# KiCad board uMule_board.kicad_pcb (continued)
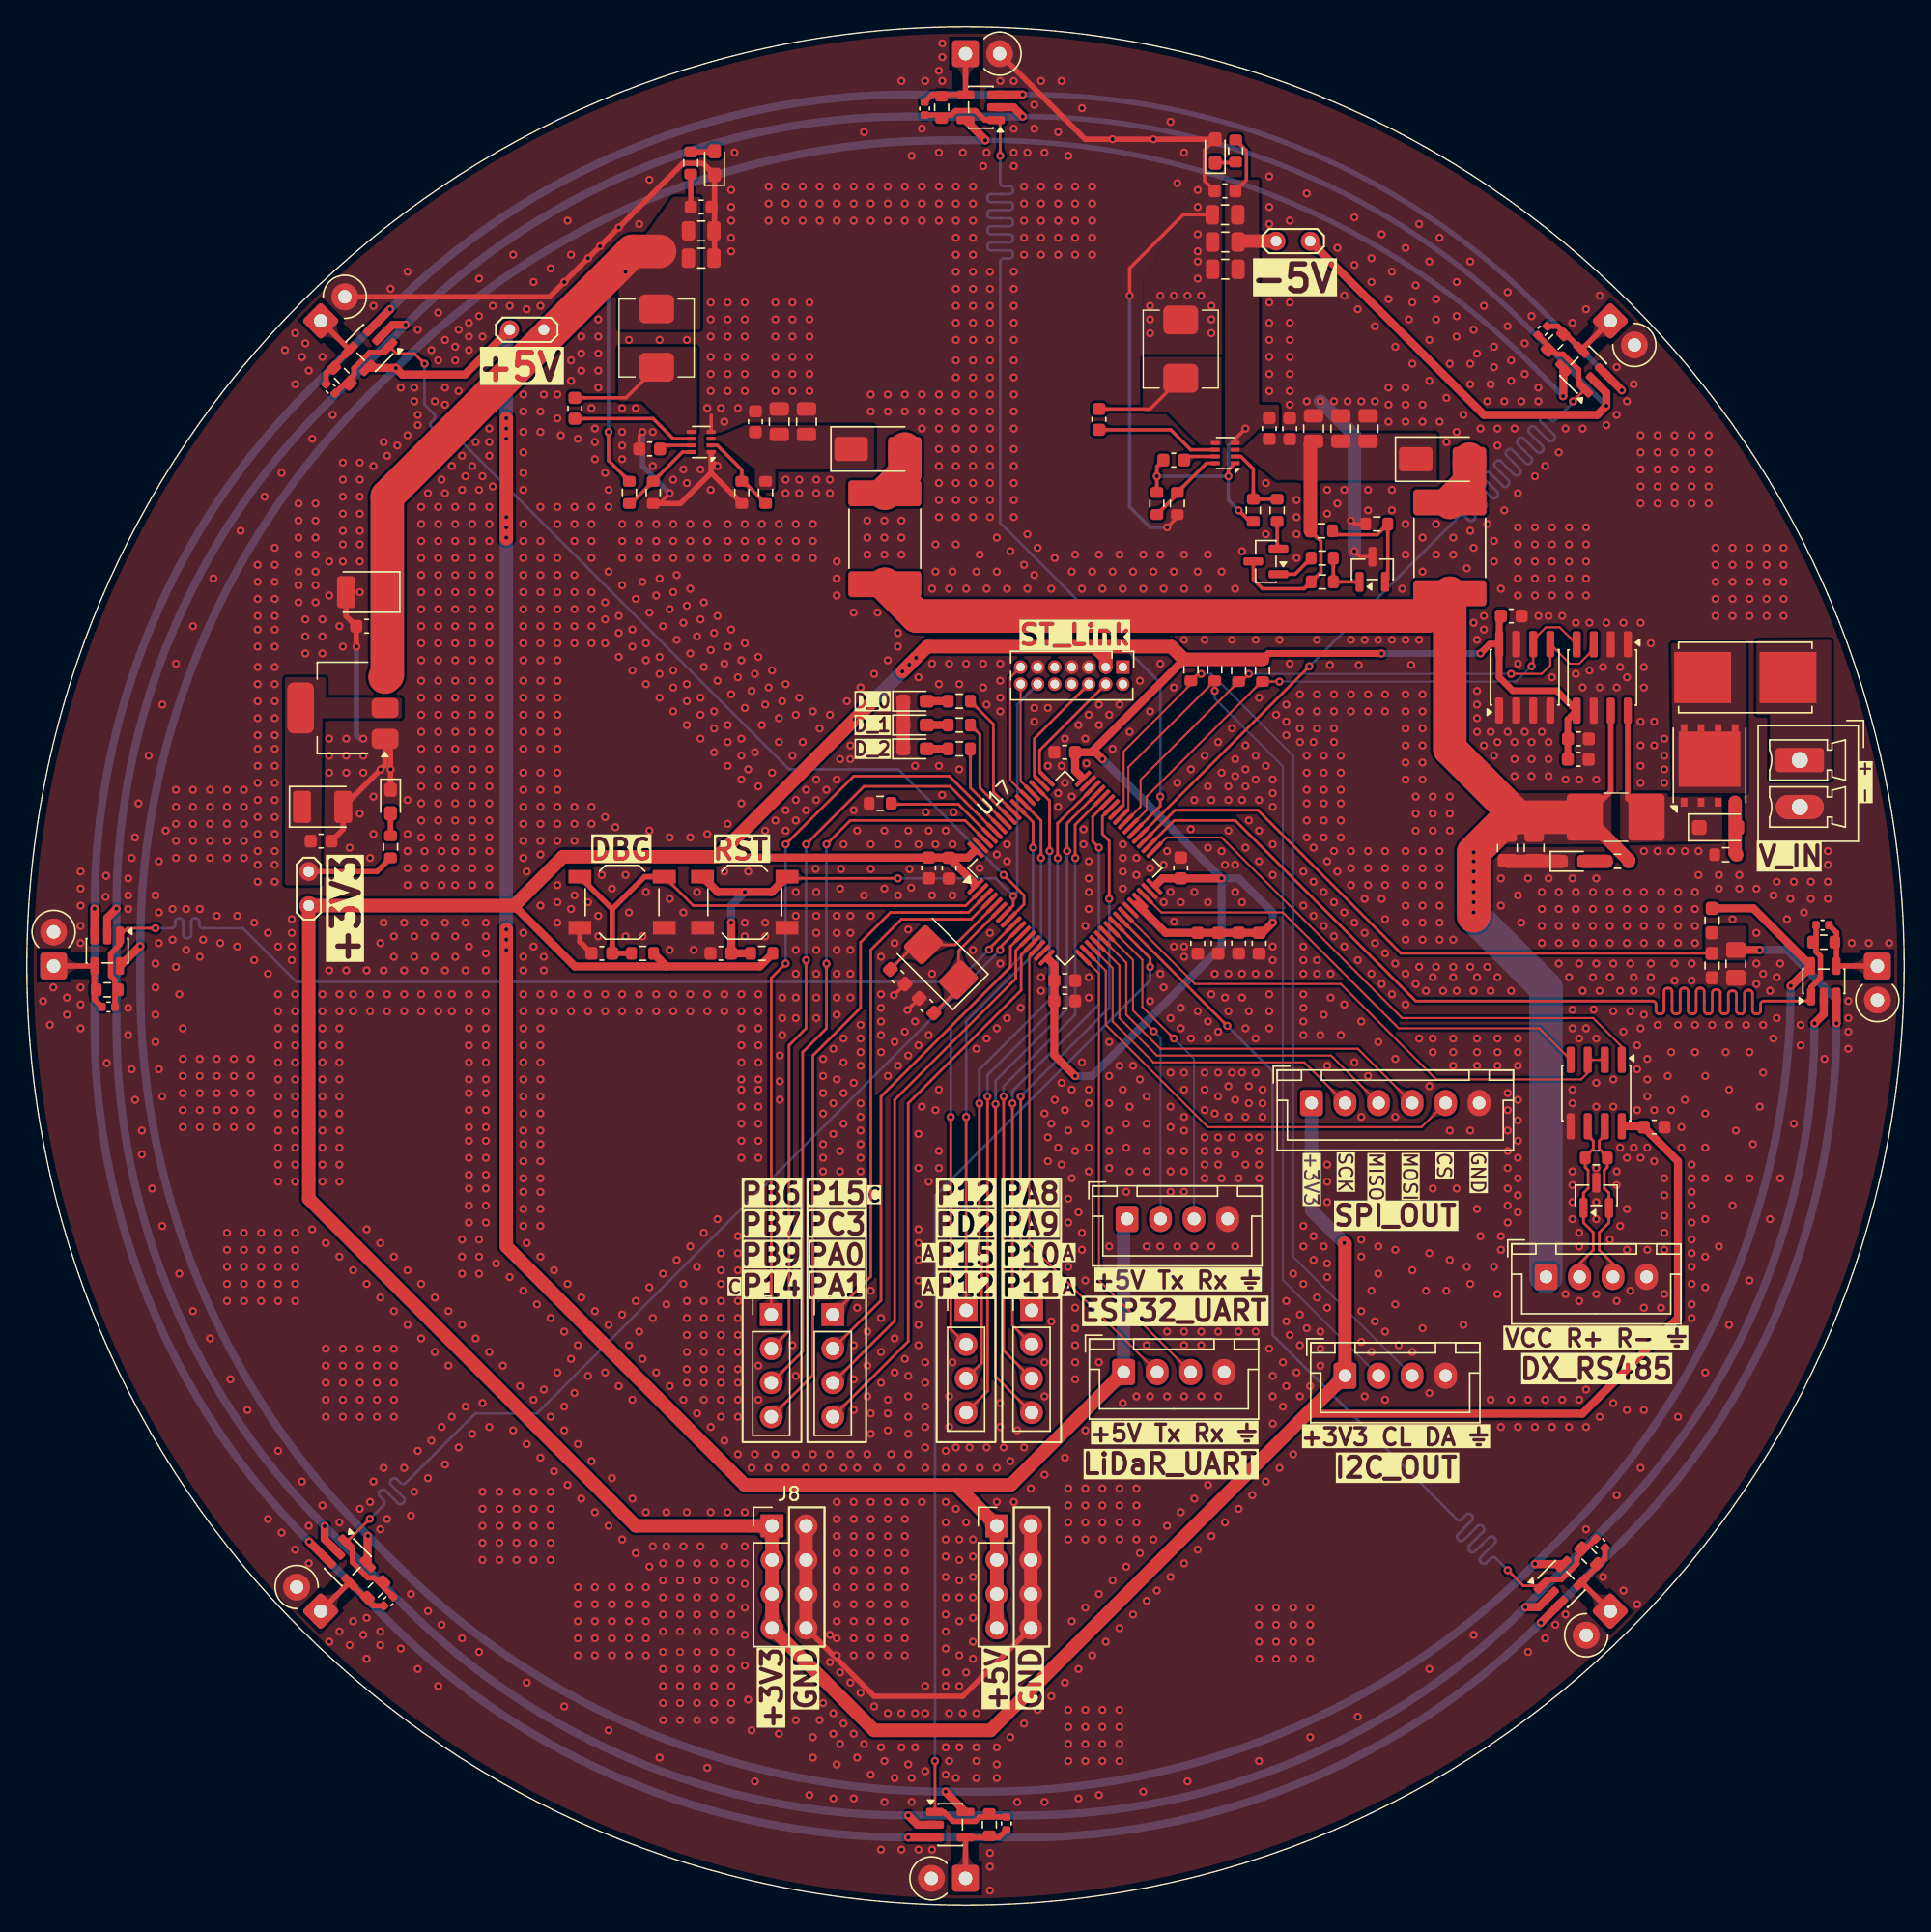
[diagram p0: board, top side]
## Routing (per net, layer and track width the routed paths; a pad name or vN(x,y) marks a point on that pad's centre or on a via; arc(x,y) is an arc through that point) (continued)
v1(55.82,115.39) v1(55.82,114.12) v1(55.82,112.85) v1(55.82,80.85) v1(55.82,33.61) v1(56.08,102.95) v1(56.08,101.68) v1(56.08,100.41) v1(56.08,88.47) v1(56.08,86.69) v1(56.08,12.78) v1(56.15,63.33) v1(56.14,61.41) v1(56.15,60.03) v1(56.33,89.74) v1(56.33,67.64) v1(56.33,66.12) v1(56.33,64.85) v1(56.59,128.09) v1(56.59,126.82) v1(56.59,125.55) v1(56.59,106.25) v1(56.59,105.23) v1(56.59,91.01) v1(56.59,81.61) v1(56.59,80.09) v1(56.59,32.59) v1(57.09,119.46) v1(57.09,118.19) v1(57.09,116.92) v1(57.09,115.39) v1(57.09,114.12) v1(57.09,112.85) v1(57.09,85.68) v1(57.09,41.73) v1(57.35,102.95) v1(57.35,101.68) v1(57.35,100.41) v1(57.35,88.72) v1(57.35,82.37) v1(57.35,80.85) v1(57.35,75.52) v1(57.35,73.74) v1(57.35,71.2) v1(57.35,69.42) v1(57.35,67.64) v1(57.35,66.12) v1(57.35,39.45) v1(57.35,33.61) v1(57.35,13.79) v1(57.6,106.25) v1(57.6,105.23) v1(57.6,89.99) v1(57.86,128.09) v1(57.86,126.82) v1(57.86,125.55) v1(57.86,86.69) v1(58.11,83.14) v1(58.11,81.61) v1(58.11,32.59) v1(58.36,119.46) v1(58.36,118.19) v1(58.36,116.92) v1(58.36,115.39) v1(58.36,114.12) v1(58.36,112.85) v1(58.36,8.21) v1(58.62,102.95) v1(58.62,101.68) v1(58.62,100.41) v1(58.62,88.98) v1(58.62,33.61) v1(58.62,12.52) v1(58.62,11) v1(58.87,106.25) v1(58.87,105.23) v1(58.87,83.9) v1(58.87,82.37) v1(58.82,77.24) v1(58.87,75.52) v1(58.87,73.74) v1(58.87,72.47) v1(58.87,71.2) v1(58.87,69.42) v1(58.87,67.64) v1(58.87,66.12) v1(59.13,128.09) v1(59.13,126.82) v1(59.13,125.55) v1(59.13,87.71) v1(59.13,13.79) v1(59.38,63.07) v1(59.38,61.8) v1(59.38,60.53) v1(59.38,59.01) v1(59.38,56.72) v1(59.38,55.7) v1(59.38,54.69) v1(59.38,32.59) v1(59.38,15.06) v1(59.63,83.14) v1(59.89,106.25) v1(59.89,105.23) v1(59.89,88.72) v1(59.89,33.61) v1(59.89,20.14) v1(59.89,18.11) v1(60.14,63.83) v1(60.14,59.77) v1(60.14,57.48) v1(60.14,14.3) v1(60.14,12.78) v1(60.14,7.95) v1(60.4,128.09) v1(60.4,126.82) v1(60.4,125.55) v1(60.4,100.15) v1(60.4,98.88) v1(60.4,97.61) v1(60.4,83.9) v1(60.4,73.74) v1(60.4,72.47) v1(60.4,71.2) v1(60.4,69.42) v1(60.4,67.64) v1(60.4,66.37) v1(60.4,61.55) v1(60.4,30.05) v1(60.4,28.78) v1(60.4,27.51) v1(60.4,26.24) v1(60.4,24.97) v1(60.4,23.7) v1(60.4,22.43) v1(60.4,21.16) v1(60.4,19.89) v1(60.4,18.62) v1(60.4,10.49) v1(60.65,85.42) v1(60.65,75.77) v1(60.65,56.21) v1(60.65,54.69) v1(60.65,17.35) v1(60.65,12.02) v1(60.72,77.23) v1(60.9,79.07) v1(60.9,64.59) v1(60.9,62.82) v1(60.9,60.53) v1(60.9,58.24) v1(60.9,32.59) v1(60.9,13.54) v1(61.16,89.74) v1(61.41,86.44) v1(61.41,85.42) v1(61.41,73.74) v1(61.41,72.47) v1(61.41,71.2) v1(61.41,69.42) v1(61.41,67.64) v1(61.41,33.61) v1(61.41,16.59) v1(61.67,128.09) v1(61.67,126.82) v1(61.67,125.55) v1(61.67,96.34) v1(61.67,81.61) v1(61.67,61.29) v1(61.67,41.73) v1(61.67,39.19) v1(61.67,36.91) v1(61.67,30.05) v1(61.67,28.78) v1(61.67,27.51) v1(61.67,26.24) v1(61.67,24.97) v1(61.67,23.7) v1(61.67,22.43) v1(61.67,21.16) v1(61.67,19.89) v1(61.67,18.62) v1(61.67,12.78) v1(61.67,7.95) v1(61.92,80.09) v1(61.92,44.53) v1(61.92,32.59) v1(61.92,11) v1(62.17,90.76) v1(62.17,65.61) v1(62.17,64.59) v1(62.17,63.58) v1(62.17,62.56) v1(62.17,59.77) v1(62.17,58.75) v1(62.17,57.74) v1(62.17,56.72) v1(62.17,55.7) v1(62.17,54.69) v1(62.17,15.83) v1(62.43,132.16) v1(62.43,75.26) v1(62.43,12.02) v1(62.68,103.2) v1(62.68,101.93) v1(62.68,100.66) v1(62.68,42.75) v1(62.68,40.21) v1(62.68,37.92) v1(62.68,33.61) v1(62.94,128.09) v1(62.94,126.82) v1(62.94,125.55) v1(62.94,112.6) v1(62.94,111.33) v1(62.94,79.07) v1(62.94,77.23) v1(62.94,73.74) v1(62.94,45.8) v1(62.94,36.65) v1(62.94,35.13) v1(62.94,30.05) v1(62.94,28.78) v1(62.94,27.51) v1(62.94,26.24) v1(62.94,24.97) v1(62.94,23.7) v1(62.94,22.43) v1(62.94,21.16) v1(62.94,19.89) v1(62.94,18.62) v1(62.94,9.73) v1(63.19,91.77) v1(63.19,14.81) v1(63.44,96.34) v1(63.44,32.59) v1(63.7,70.69) v1(63.7,67.9) v1(63.7,66.88) v1(63.7,65.86) v1(63.7,64.85) v1(63.7,63.58) v1(63.7,43.77) v1(63.7,41.23) v1(63.7,38.94) v1(63.7,11.76) v1(63.7,4.14) v1(63.95,103.2) v1(63.95,101.93) v1(63.95,100.66) v1(63.95,80.09) v1(63.95,75.77) v1(63.95,10.75) v1(63.95,7.7) v1(64.21,128.09) v1(64.21,126.82) v1(64.21,125.55) v1(64.21,112.6) v1(64.21,111.33) v1(64.21,92.79) v1(64.21,61.8) v1(64.21,37.67) v1(64.21,36.65) v1(64.21,35.38) v1(64.21,30.05) v1(64.21,28.78) v1(64.21,27.51) v1(64.21,26.24) v1(64.21,24.97) v1(64.21,23.7) v1(64.21,22.43) v1(64.21,21.16) v1(64.21,19.89) v1(64.21,18.62) v1(64.21,14.3) v1(64.46,33.61) v1(64.71,71.71) v1(64.71,64.34) v1(64.71,42.24) v1(64.71,39.7) v1(64.71,9.48) v1(64.97,94.82) v1(64.97,93.8) v1(64.97,79.07) v1(64.97,75.26) v1(64.97,62.56) v1(65.22,135.97) v1(65.22,103.2) v1(65.22,101.93) v1(65.22,100.66) v1(65.22,32.59) v1(65.22,14.3) v1(65.22,11.76) v1(65.22,4.14) v1(65.48,128.09) v1(65.48,126.82) v1(65.48,125.55) v1(65.48,112.6) v1(65.48,111.33) v1(65.48,65.1) v1(65.48,40.72) v1(65.48,30.05) v1(65.48,28.78) v1(65.48,27.51) v1(65.48,26.24) v1(65.48,24.97) v1(65.48,23.7) v1(65.48,22.43) v1(65.48,21.16) v1(65.48,19.89) v1(65.48,18.62) v1(65.73,80.09) v1(65.73,72.72) v1(65.73,63.32) v1(65.73,39.45) v1(65.73,37.92) v1(65.73,36.4) v1(65.73,35.13) v1(65.73,33.61) v1(65.73,10.49) v1(65.83,77.21) v1(65.95,75.83) v1(65.98,130.38) v1(65.98,9.48) v1(65.98,7.7) v1(66.24,84.91) v1(66.24,65.86) v1(66.24,14.3) v1(66.24,11.76) v1(66.49,91.52) v1(66.49,79.07) v1(66.49,64.09) v1(66.49,57.48) v1(66.49,54.94) v1(66.49,50.37) v1(66.49,49.35) v1(66.49,48.08) v1(66.49,46.56) v1(66.49,44.78) v1(66.49,43.26) v1(66.49,41.73) v1(66.49,4.14) v1(66.75,132.41) v1(66.75,128.09) v1(66.75,126.82) v1(66.75,125.55) v1(66.75,112.6) v1(66.75,111.33) v1(66.75,110.06) v1(66.75,59.51) v1(66.75,30.05) v1(67,135.97) v1(67.05,81.45) v1(67,40.46) v1(67,38.94) v1(67,37.16) v1(67,35.64) v1(67,34.11) v1(67,32.59) v1(67,16.33) v1(67,14.3) v1(67,9.98) v1(67.25,80.09) v1(67.25,64.85) v1(67.25,53.93) v1(67.51,98.12) v1(67.51,92.53) v1(67.51,75.26) v1(67.51,69.42) v1(67.51,4.14) v1(67.76,101.42) v1(67.76,99.39) v1(67.76,79.07) v1(67.76,59.26) v1(68.02,136.73) v1(68.02,130.63) v1(68.02,128.09) v1(68.02,126.82) v1(68.02,125.55) v1(68.02,112.6) v1(68.02,111.33) v1(68.02,110.06) v1(68.02,108.54) v1(68.02,107.27) v1(68.02,106) v1(68.02,104.73) v1(68.02,103.46) v1(68.02,91.01) v1(68.02,84.91) v1(68.02,60.78) v1(68.02,56.21) v1(68.02,54.94) v1(68.27,138.76) v1(68.27,137.75) v1(68.27,135.97) v1(68.25,82.75) v1(68.52,80.09) v1(68.52,33.86) v1(68.52,32.59) v1(68.52,30.05) v1(68.52,28.53) v1(68.52,27.26) v1(68.52,25.99) v1(68.52,24.46) v1(68.52,22.94) v1(68.52,21.67) v1(68.52,20.4) v1(68.52,19.13) v1(68.52,17.35) v1(68.52,16.33) v1(68.52,11.76) v1(68.52,11.76) v1(68.52,9.73) v1(68.78,98.12) v1(68.78,92.53) v1(68.78,37.92) v1(68.78,35.64) v1(68.78,14.3) v1(68.78,10.75) v1(69.03,99.39) v1(69.03,79.07) v1(69.03,75.26) v1(69.03,40.46) v1(69.12,81.45) v1(69.29,128.09) v1(69.29,126.82) v1(69.29,125.55) v1(69.29,124.28) v1(69.29,123.01) v1(69.29,121.74) v1(69.29,120.47) v1(69.29,119.2) v1(69.29,117.93) v1(69.29,116.66) v1(69.29,115.14) v1(69.29,113.87) v1(69.29,112.6) v1(69.29,111.33) v1(69.29,110.06) v1(69.29,108.54) v1(69.29,107.27) v1(69.29,106) v1(69.29,104.73) v1(69.29,103.46) v1(69.29,101.42) v1(69.29,34.11) v1(69.29,29.54) v1(69.29,9.48) v1(69.54,91.01) v1(69.54,84.66) v1(69.54,27.26) v1(69.54,25.73) v1(69.54,24.21) v1(69.54,22.94) v1(69.54,21.16) v1(69.54,18.62) v1(69.54,16.33) v1(69.54,11.76) v1(69.79,130.63) v1(69.79,32.59) v1(69.79,14.3) v1(70.05,98.12) v1(70.05,92.53) v1(70.05,28.53) v1(70.05,17.35) v1(70.3,34.11) v1(70.56,128.09) v1(70.56,126.82) v1(70.56,125.55) v1(70.56,124.28) v1(70.56,123.01) v1(70.56,121.74) v1(70.56,120.47) v1(70.56,119.2) v1(70.56,117.93) v1(70.56,116.66) v1(70.56,115.14) v1(70.56,113.87) v1(70.56,112.6) v1(70.56,111.33) v1(70.56,110.06) v1(70.56,108.54) v1(70.56,107.27) v1(70.56,106) v1(70.56,104.73) v1(70.56,103.46) v1(70.56,71.2) v1(70.56,27.26) v1(70.56,25.99) v1(70.56,24.46) v1(70.56,22.94) v1(70.56,21.41) v1(70.56,19.64) v1(70.56,18.37) v1(70.81,99.39) v1(70.81,63.83) v1(70.81,14.3) v1(70.81,11.76) v1(70.81,10.75) v1(70.81,9.48) v1(71.06,100.66) v1(71.06,77.29) v1(71.06,32.59) v1(71.32,129.62) v1(71.32,92.53) v1(71.32,90.76) v1(71.57,130.63) v1(71.57,98.12) v1(71.57,89.49) v1(71.57,64.59) v1(71.57,34.11) v1(71.83,121.74) v1(71.83,120.47) v1(71.83,119.2) v1(71.83,117.93) v1(71.83,116.66) v1(71.83,115.14) v1(71.83,113.87) v1(71.83,112.6) v1(71.83,111.33) v1(71.83,110.06) v1(71.83,108.54) v1(71.83,107.27) v1(71.83,106) v1(71.83,104.73) v1(71.83,103.46) v1(71.83,72.47) v1(71.83,3.89) v1(71.83,2.87) v1(71.83,1.09) v1(72.33,101.93) v1(72.33,99.39) v1(72.33,78.31) v1(72.33,65.36) v1(72.33,32.59) v1(72.33,30.05) v1(72.33,11.76) v1(72.33,10.49) v1(72.33,9.48) v1(72.59,135.97) v1(72.59,92.53) v1(72.59,91.26) v1(72.59,89.99) v1(72.59,88.98) v1(72.59,70.18) v1(72.59,37.42) v1(72.59,35.64) v1(72.84,34.11) v1(73.1,98.12) v1(73.1,79.07) v1(73.1,77.8) v1(73.1,66.12) v1(73.35,100.92) v1(73.35,33.1) v1(73.35,12.52) v1(73.6,135.97) v1(73.6,132.41) v1(73.6,130.63) v1(73.6,129.62) v1(73.6,121.74) v1(73.6,120.47) v1(73.6,119.2) v1(73.6,117.93) v1(73.6,116.66) v1(73.6,115.14) v1(73.6,113.87) v1(73.6,112.6) v1(73.6,111.33) v1(73.6,110.06) v1(73.6,108.54) v1(73.6,107.27) v1(73.6,106) v1(73.6,104.73) v1(73.6,103.46) v1(73.6,30.05) v1(73.86,35.38) v1(73.86,7.7) v1(74.11,66.88) v1(74.37,128.09) v1(74.37,126.82) v1(74.37,125.55) v1(74.37,124.28) v1(74.37,123.01) v1(74.37,99.9) v1(74.37,34.11) v1(74.37,13.54) v1(74.62,130.63) v1(74.62,102.19) v1(74.62,98.12) v1(74.87,31.07) v1(75.13,134.19) v1(75.13,132.41) v1(75.13,99.14) v1(75.13,89.23) v1(75.13,88.22) v1(75.38,101.17) v1(75.38,14.56) v1(75.64,135.97) v1(75.64,128.09) v1(75.64,126.82) v1(75.64,125.55) v1(75.64,124.28) v1(75.64,123.01) v1(75.64,69.17) v1(75.64,68.15) v1(75.89,130.63) v1(75.89,59.01) v1(75.89,40.46) v1(75.89,37.92) v1(75.89,32.08) v1(75.89,7.7) v1(76.14,89.23) v1(76.14,84.91) v1(76.14,57.23) v1(76.14,55.45) v1(76.4,98.12) v1(76.4,58.24) v1(76.4,43.51) v1(76.4,15.57) v1(76.65,100.41) v1(76.65,60.02) v1(76.91,132.16) v1(76.91,128.09) v1(76.91,126.82) v1(76.91,125.55) v1(76.91,124.28) v1(76.91,123.01) v1(76.91,82.88) v1(76.91,81.87) v1(76.91,56.47) v1(77.16,135.97) v1(77.16,84.91) v1(77.16,61.29) v1(77.16,55.2) v1(77.41,86.95) v1(77.41,83.64) v1(77.41,59.26) v1(77.41,33.35) v1(77.41,16.59) v1(77.67,130.38) v1(77.67,57.74) v1(77.67,52.66) v1(77.67,50.88) v1(77.67,47.58) v1(77.67,31.07) v1(77.67,29.8) v1(77.67,28.53) v1(77.67,27.26) v1(77.67,14.56) v1(77.67,13.29) v1(77.67,12.02) v1(77.67,10.75) v1(77.92,99.39) v1(77.92,82.63) v1(77.92,60.78) v1(77.92,54.18) v1(77.92,21.16) v1(78.18,128.09) v1(78.18,126.82) v1(78.18,125.55) v1(78.18,124.28) v1(78.18,123.01) v1(78.18,100.66) v1(78.18,56.21) v1(78.18,44.53) v1(78.18,43) v1(78.18,41.73) v1(78.18,40.46) v1(78.18,39.19) v1(78.43,87.96) v1(78.43,51.64) v1(78.43,17.6) v1(78.43,7.95) v1(78.68,133.94) v1(78.68,98.12) v1(78.68,62.82) v1(78.68,50.12) v1(78.68,48.85) v1(78.8,80.19) v1(78.8,79.07) v1(78.94,86.95) v1(78.94,72.98) v1(78.94,58.24) v1(78.94,46.56) v1(78.94,35.38) v1(78.94,31.07) v1(78.94,29.8) v1(78.94,28.53) v1(78.94,27.26) v1(78.94,22.18) v1(78.94,14.56) v1(78.94,13.29) v1(78.94,12.02) v1(78.94,10.75) v1(79.02,85.11) v1(79.19,88.72) v1(79.19,77.8) v1(79.19,76.53) v1(79.19,75.52) v1(79.19,74.25) v1(79.19,69.17) v1(79.19,67.64) v1(79.19,60.78) v1(79.19,59.77) v1(79.19,56.47) v1(79.19,54.69) v1(79.45,128.09) v1(79.45,126.82) v1(79.45,125.55) v1(79.45,124.28) v1(79.45,123.01) v1(79.45,99.39) v1(79.45,18.62) v1(79.95,100.66) v1(79.95,89.49) v1(79.95,87.96) v1(79.95,40.46) v1(79.95,23.19) v1(79.95,8.21) v1(80.21,98.12) v1(80.21,31.07) v1(80.21,29.8) v1(80.21,28.53) v1(80.21,27.26) v1(80.21,14.56) v1(80.21,13.29) v1(80.21,12.02) v1(80.21,10.75) v1(80.46,19.64) v1(80.72,88.72) v1(80.72,64.34) v1(80.72,61.8) v1(80.72,59.77) v1(80.72,57.74) v1(80.72,56.21) v1(80.72,54.94) v1(80.72,49.1) v1(80.97,99.39) v1(80.97,86.18) v1(80.97,24.21) v1(81.48,100.66) v1(81.48,89.49) v1(81.48,62.56) v1(81.48,31.07) v1(81.48,29.8) v1(81.48,28.53) v1(81.48,27.26) v1(81.48,20.65) v1(81.48,14.56) v1(81.48,13.29) v1(81.48,12.02) v1(81.48,10.75) v1(81.73,98.12) v1(81.73,79.07) v1(81.73,78.06) v1(81.73,77.04) v1(81.73,75.77) v1(81.73,60.78) v1(81.73,37.42) v1(81.99,58.24) v1(81.99,56.47) v1(81.99,53.16) v1(81.99,25.22) v1(82.24,87.45) v1(82.24,59.51) v1(82.24,54.69) v1(82.49,99.39) v1(82.49,62.56) v1(82.49,21.67) v1(82.75,78.06) v1(82.75,76.79) v1(82.75,37.92) v1(82.75,31.07) v1(82.75,29.8) v1(82.75,28.53) v1(82.75,27.26) v1(83,91.26) v1(83,61.55) v1(83,26.24) v1(83.26,100.66) v1(83.26,98.12) v1(83.26,8.46) v1(83.51,60.28) v1(83.51,58.24) v1(83.51,56.21) v1(83.51,54.69) v1(83.51,49.1) v1(83.51,41.73) v1(83.51,22.68) v1(83.76,119.2) v1(83.76,118.19) v1(83.76,117.17) v1(83.76,88.98) v1(83.76,77.29) v1(83.76,67.39) v1(83.76,37.92) v1(84.02,99.39) v1(84.02,27.26) v1(84.27,23.45) v1(84.53,119.97) v1(84.53,100.66) v1(84.53,92.53) v1(84.53,69.42) v1(84.53,49.1) v1(84.78,98.12) v1(84.78,77.55) v1(84.78,74.75) v1(84.78,68.4) v1(85.03,78.56) v1(85.03,42.75) v1(85.03,37.92) v1(85.03,28.27) v1(85.29,132.92) v1(85.29,75.52) v1(85.29,66.12) v1(85.29,62.05) v1(85.29,59.51) v1(85.29,57.99) v1(85.29,56.21) v1(85.29,54.69) v1(85.29,53.16) v1(85.29,24.46) v1(85.54,119.97) v1(85.54,99.39) v1(85.54,90.76) v1(85.56,73.3) v1(85.54,71.45) v1(85.8,128.35) v1(85.8,83.64) v1(85.8,49.1) v1(86.05,74.75) v1(86.05,66.88) v1(86.05,65.36) v1(86.05,29.29) v1(86.3,130.63) v1(86.3,100.66) v1(86.3,98.12) v1(86.3,94.31) v1(86.3,71.45) v1(86.3,70.69) v1(86.3,62.05) v1(86.3,60.78) v1(86.3,58.75) v1(86.3,57.74) v1(86.3,56.21) v1(86.3,54.69) v1(86.3,53.16) v1(86.3,42.75) v1(86.3,41.73) v1(86.3,37.92) v1(86.3,25.48) v1(86.56,119.97) v1(86.56,9.22) v1(86.81,84.66) v1(86.8,80.19) v1(86.81,64.59) v1(87.07,82.37) v1(87.07,75.52) v1(87.07,49.1) v1(87.07,30.3) v1(87.32,127.84) v1(87.32,126.57) v1(87.32,124.54) v1(87.32,123.27) v1(87.32,122.51) v1(87.32,121.24) v1(87.32,99.39) v1(87.32,66.63) v1(87.32,26.49) v1(87.57,119.97) v1(87.57,42.75) v1(87.57,41.73) v1(87.57,37.92) v1(87.83,94.31) v1(87.83,85.68) v1(87.83,62.05) v1(87.83,60.78) v1(87.83,59.26) v1(87.83,57.23) v1(87.83,56.21) v1(87.83,55.2) v1(87.83,54.18) v1(88.08,100.66) v1(88.08,98.12) v1(88.08,83.39) v1(88.08,78.82) v1(88.08,74.75) v1(88.08,65.86) v1(88.08,64.59) v1(88.08,31.32) v1(88.34,119.2) v1(88.34,118.19) v1(88.34,117.17) v1(88.34,82.37) v1(88.34,67.9) v1(88.34,49.1) v1(88.34,27.51) v1(88.59,69.42) v1(88.59,59.01) v1(88.84,86.69) v1(88.84,65.1) v1(88.84,62.05) v1(88.84,60.28) v1(88.84,57.23) v1(88.84,56.21) v1(88.84,55.2) v1(88.84,42.75) v1(88.84,37.92) v1(89.1,99.39) v1(89.1,84.41) v1(89.1,78.56) v1(89.1,54.18) v1(89.35,77.55) v1(89.35,67.64) v1(89.35,28.53) v1(89.61,83.39) v1(89.61,82.37) v1(89.61,80.09) v1(89.61,69.42) v1(89.61,66.63) v1(89.61,61.04) v1(89.61,58.75) v1(89.86,94.31) v1(89.86,87.71) v1(89.86,62.05) v1(89.86,57.23) v1(90.11,98.12) v1(90.11,85.42) v1(90.11,84.15) v1(90.11,77.55) v1(90.11,75.52) v1(90.11,60.02) v1(90.11,55.96) v1(90.11,49.1) v1(90.37,54.18) v1(90.37,42.75) v1(90.37,29.54) v1(90.62,100.92) v1(90.62,82.37) v1(90.62,74.75) v1(90.62,69.42) v1(90.62,67.64) v1(90.62,62.05) v1(90.88,86.44) v1(90.88,84.66) v1(90.88,83.39) v1(90.88,78.82) v1(90.88,65.36) v1(90.88,58.75) v1(90.88,55.2) v1(91.13,80.85) v1(91.13,66.63) v1(91.13,61.04) v1(91.13,59.77) v1(91.13,57.23) v1(91.38,30.56) v1(91.64,94.31) v1(91.64,85.68) v1(91.64,83.9) v1(91.64,69.42) v1(91.64,64.59) v1(91.64,62.05) v1(91.64,42.75) v1(91.89,89.99) v1(91.89,82.37) v1(91.89,80.09) v1(91.89,77.8) v1(91.89,57.23) v1(91.89,56.21) v1(91.89,55.2) v1(91.89,54.18) v1(91.89,22.18) v1(91.89,20.91) v1(91.89,19.64) v1(91.89,18.37) v1(91.89,10.75) v1(92.15,60.78) v1(92.15,59.77) v1(92.15,58.75) v1(92.4,106) v1(92.4,102.19) v1(92.4,84.91) v1(92.4,31.57) v1(92.65,128.86) v1(92.65,126.57) v1(92.65,125.3) v1(92.65,119.46) v1(92.65,117.93) v1(92.65,116.66) v1(92.65,115.39) v1(92.65,114.12) v1(92.65,112.85) v1(92.65,69.42) v1(92.65,67.9) v1(92.65,66.63) v1(92.65,65.36) v1(92.65,41.48) v1(92.91,83.9) v1(92.91,82.88) v1(92.91,81.87) v1(92.91,79.07) v1(92.91,76.79) v1(92.91,71.45) v1(92.91,70.44) v1(92.91,39.45) v1(92.91,37.92) v1(92.91,35.89) v1(93.16,88.72) v1(93.16,22.18) v1(93.16,20.91) v1(93.16,19.64) v1(93.16,18.37) v1(93.42,94.31) v1(93.42,32.59) v1(93.67,40.46) v1(93.67,37.16) v1(93.92,89.49) v1(93.92,88.22) v1(93.92,87.2) v1(93.92,45.04) v1(93.92,43.51) v1(93.92,38.69) v1(94.18,125.55) v1(94.18,119.46) v1(94.18,117.93) v1(94.18,116.66) v1(94.18,115.39) v1(94.18,114.12) v1(94.18,112.85) v1(94.18,111.84) v1(94.18,92.53) v1(94.18,42.5) v1(94.43,47.07) v1(94.43,33.61) v1(94.43,22.18) v1(94.43,20.91) v1(94.43,19.64) v1(94.43,18.37) v1(94.69,104.73) v1(94.69,103.46) v1(94.69,102.19) v1(94.69,100.41) v1(94.69,39.7) v1(94.94,90.25) v1(94.94,88.98) v1(94.94,87.71) v1(94.94,86.69) v1(94.94,44.02) v1(94.94,41.73) v1(94.94,37.92) v1(95.19,77.04) v1(95.19,74.5) v1(95.19,71.45) v1(95.19,70.44) v1(95.19,69.42) v1(95.19,67.9) v1(95.19,66.88) v1(95.19,65.86) v1(95.19,64.85) v1(95.19,50.62) v1(95.19,49.1) v1(95.19,46.31) v1(95.45,127.59) v1(95.45,112.09) v1(95.45,85.68) v1(95.45,84.41) v1(95.45,83.14) v1(95.45,82.12) v1(95.45,80.85) v1(95.45,79.58) v1(95.45,43) v1(95.7,38.69) v1(95.7,22.18) v1(95.7,20.91) v1(95.7,19.64) v1(95.7,18.37) v1(95.7,12.52) v1(95.96,86.69) v1(95.96,78.82) v1(95.96,76.28) v1(95.96,73.74) v1(95.96,49.86) v1(95.96,48.08) v1(96.21,94.31) v1(96.21,90.25) v1(96.21,88.98) v1(96.21,87.71) v1(96.21,70.44) v1(96.21,69.42) v1(96.21,45.29) v1(96.46,64.85) v1(96.46,42.75) v1(96.46,41.48) v1(96.46,40.21) v1(96.72,85.68) v1(96.72,84.41) v1(96.72,83.14) v1(96.72,82.12) v1(96.72,80.85) v1(96.72,79.58) v1(96.72,75.52) v1(96.72,72.98) v1(96.72,66.37) v1(96.72,49.1) v1(96.97,105.49) v1(96.97,103.71) v1(96.97,77.8) v1(96.97,62.56) v1(96.97,55.2) v1(96.97,53.93) v1(96.97,52.4) v1(96.97,47.83) v1(96.97,46.81) v1(96.97,44.53) v1(97.17,92.44) v1(97.23,69.42) v1(97.23,67.64) v1(97.48,112.09) v1(97.48,90.25) v1(97.48,88.98) v1(97.48,87.71) v1(97.48,86.69) v1(97.48,78.56) v1(97.48,74.75) v1(97.48,72.21) v1(97.73,123.52) v1(97.73,104.47) v1(97.73,77.04) v1(97.99,85.68) v1(97.99,84.41) v1(97.99,83.14) v1(97.99,82.12) v1(97.99,80.85) v1(97.99,79.58) v1(97.99,64.85) v1(98.24,119.97) v1(98.24,105.49) v1(98.24,73.99) v1(98.24,71.45) v1(98.24,67.13) v1(98.5,112.09) v1(98.75,94.31) v1(98.75,90.25) v1(98.75,88.98) v1(98.75,78.56) v1(98.75,77.29) v1(98.75,76.02) v1(99,125.81) v1(99,122.25) v1(99,73.23) v1(99,62.82) v1(99.26,118.95) v1(99.26,70.44) v1(99.26,14.05) v1(99.33,92.43) v1(99.51,112.09) v1(99.51,65.86) v1(99.51,58.75) v1(99.51,49.61) v1(99.51,48.34) v1(99.51,44.27) v1(99.51,41.99) v1(99.77,94.31) v1(99.77,75.01) v1(99.77,72.47) v1(99.77,37.92) v1(100.02,105.49) v1(100.02,103.96) v1(100.02,90.25) v1(100.02,88.98) v1(100.02,78.56) v1(100.02,77.29) v1(100.02,76.02) v1(100.02,61.8) v1(100.27,122.76) v1(100.27,120.98) v1(100.27,69.42) v1(100.27,45.8) v1(100.27,41.23) v1(100.53,117.68) v1(100.53,112.09) v1(100.53,71.71) v1(100.53,43.51) v1(100.78,94.31) v1(100.78,64.34) v1(100.78,49.1) v1(100.78,47.07) v1(101.04,124.54) v1(101.04,75.01) v1(101.04,68.66) v1(101.29,90.25) v1(101.29,88.98) v1(101.29,78.56) v1(101.29,77.29) v1(101.29,76.02) v1(101.29,73.48) v1(101.29,70.94) v1(101.29,42.75) v1(101.29,37.67) v1(101.54,119.71) v1(101.54,113.11) v1(101.54,111.84) v1(101.54,110.57) v1(101.8,121.74) v1(101.8,105.49) v1(101.8,103.96) v1(101.8,94.31) v1(101.8,67.9) v1(102.05,116.16) v1(102.05,70.18) v1(102.05,63.07) v1(102.05,58.75) v1(102.05,48.85) v1(102.05,44.78) v1(102.31,41.73) v1(102.56,98.12) v1(102.81,123.52) v1(102.81,113.11) v1(102.81,111.84) v1(102.81,110.57) v1(102.81,102.95) v1(102.81,100.66) v1(102.81,94.31) v1(102.81,90.25) v1(102.81,88.98) v1(102.81,87.71) v1(102.81,86.44) v1(102.81,85.17) v1(102.81,83.9) v1(102.81,78.56) v1(102.81,77.29) v1(102.81,76.02) v1(102.81,74.5) v1(102.81,73.23) v1(102.81,71.96) v1(102.81,69.42) v1(102.81,67.13) v1(103.07,118.19) v1(103.24,92.45) v1(103.32,119.46) v1(103.32,114.89) v1(103.32,47.32) v1(103.32,41.23) v1(103.58,120.73) v1(103.58,82.63) v1(103.58,81.36) v1(103.58,80.09) v1(103.58,68.66) v1(103.83,125.3) v1(103.83,94.31) v1(103.83,69.93) v1(103.83,64.59) v1(104.08,111.84) v1(104.08,110.57) v1(104.08,101.93) v1(104.08,99.39) v1(104.08,90.25) v1(104.08,88.98) v1(104.08,87.71) v1(104.08,86.44) v1(104.08,85.17) v1(104.08,83.9) v1(104.08,78.56) v1(104.08,77.29) v1(104.08,76.02) v1(104.08,74.5) v1(104.08,73.23) v1(104.08,71.96) v1(104.08,43) v1(104.34,68.15) v1(104.34,45.8) v1(104.59,122.51) v1(104.59,116.66) v1(104.59,113.62) v1(104.59,61.04) v1(104.59,48.59) v1(104.59,38.18) v1(104.59,17.6) v1(104.85,82.63) v1(104.85,81.36) v1(104.85,80.09) v1(104.85,69.17) v1(104.85,64.59) v1(104.85,63.58) v1(104.85,53.42) v1(105.1,119.71) v1(105.1,118.19) v1(105.1,102.95) v1(105.1,100.66) v1(105.1,69.93) v1(105.35,124.28) v1(105.35,110.57) v1(105.35,78.56) v1(105.35,77.29) v1(105.35,76.02) v1(105.35,74.5) v1(105.35,73.23) v1(105.35,71.96) v1(105.61,68.15) v1(105.86,112.35) v1(105.86,109.04) v1(105.86,45.8) v1(106.12,114.89) v1(106.12,82.63) v1(106.12,81.36) v1(106.12,80.09) v1(106.12,57.74) v1(106.12,48.08) v1(106.37,101.93) v1(106.37,100.66) v1(106.37,71.96) v1(106.37,69.93) v1(106.37,69.17) v1(106.37,64.59) v1(106.37,63.58) v1(106.37,62.56) v1(106.62,120.98) v1(106.62,118.44) v1(106.62,116.92) v1(106.62,109.81) v1(106.62,68.15) v1(106.62,53.42) v1(107.13,111.08) v1(107.13,43.26) v1(107.39,99.65) v1(107.39,47.58) v1(107.64,122.51) v1(107.64,114.89) v1(107.64,113.36) v1(107.64,102.44) v1(107.64,69.93) v1(107.64,57.74) v1(107.64,46.31) v1(107.89,117.43) v1(107.89,101.17) v1(107.89,95.58) v1(107.89,68.15) v1(107.89,20.14) v1(108.15,115.65) v1(108.15,94.31) v1(108.15,90.5) v1(108.15,89.49) v1(108.15,88.47) v1(108.15,87.45) v1(108.15,69.17) v1(108.15,64.59) v1(108.15,63.58) v1(108.15,62.56) v1(108.15,51.89) v1(108.4,110.06) v1(108.4,49.86) v1(108.66,119.2) v1(108.66,96.09) v1(108.66,95.07) v1(108.66,86.44) v1(108.91,112.09) v1(108.91,102.95) v1(108.91,69.93) v1(109.16,113.36) v1(109.16,87.45) v1(109.16,68.15) v1(109.16,37.67) v1(109.42,116.16) v1(109.42,114.63) v1(109.42,101.68) v1(109.42,100.15) v1(109.42,85.68) v1(109.42,47.58) v1(109.67,110.06) v1(109.67,108.79) v1(109.67,86.69) v1(109.67,69.17) v1(109.67,64.59) v1(109.67,63.58) v1(109.67,62.56) v1(109.67,45.54) v1(109.93,98.12) v1(109.93,76.53) v1(109.93,74.5) v1(109.93,49.86) v1(109.93,48.85) v1(109.93,35.64) v1(110.18,112.09) v1(110.18,103.96) v1(110.43,120.22) v1(110.43,117.68) v1(110.43,87.45) v1(110.43,60.53) v1(110.43,59.26) v1(110.43,57.74) v1(110.43,56.21) v1(110.43,54.94) v1(110.43,53.42) v1(110.43,52.15) v1(110.43,50.88) v1(110.69,115.14) v1(110.69,113.62) v1(110.69,68.15) v1(110.69,37.67) v1(110.94,110.06) v1(110.94,86.69) v1(110.94,85.42) v1(110.94,84.15) v1(111.2,105.23) v1(111.2,102.69) v1(111.2,101.42) v1(111.2,100.15) v1(111.2,98.88) v1(111.2,97.61) v1(111.2,92.53) v1(111.2,75.26) v1(111.2,64.59) v1(111.2,63.58) v1(111.2,62.56) v1(111.2,60.02) v1(111.2,58.5) v1(111.2,56.97) v1(111.2,55.7) v1(111.2,54.18) v1(111.2,52.91) v1(111.2,51.64) v1(111.2,35.64) v1(111.45,112.09) v1(111.45,73.23) v1(111.7,116.41) v1(111.7,114.12) v1(111.7,87.45) v1(111.96,76.53) v1(111.96,37.67) v1(111.96,18.87) v1(112.21,118.44) v1(112.21,86.69) v1(112.21,85.42) v1(112.21,84.15) v1(112.47,106.5) v1(112.47,102.69) v1(112.47,101.42) v1(112.47,100.15) v1(112.47,98.88) v1(112.47,97.61) v1(112.47,35.64) v1(112.72,113.11) v1(112.72,112.09) v1(112.72,96.09) v1(112.97,87.45) v1(112.97,75.52) v1(112.97,74.25) v1(112.97,72.98) v1(112.97,71.71) v1(113.23,107.27) v1(113.23,37.67) v1(113.23,19.89) v1(113.48,96.09) v1(113.48,86.69) v1(113.48,85.42) v1(113.48,84.15) v1(113.48,76.53) v1(113.74,102.69) v1(113.74,101.42) v1(113.74,100.15) v1(113.74,98.88) v1(113.74,97.61) v1(113.74,91.52) v1(113.74,35.64) v1(113.99,20.91) v1(114.24,108.28) v1(114.24,75.52) v1(114.24,74.25) v1(114.24,72.98) v1(114.24,71.71) v1(114.24,70.18) v1(114.5,96.09) v1(114.5,37.67) v1(114.75,110.06) v1(114.75,83.9) v1(114.75,45.54) v1(114.75,21.67) v1(115.01,102.69) v1(115.01,101.42) v1(115.01,100.15) v1(115.01,98.88) v1(115.01,97.61) v1(115.01,69.17) v1(115.01,35.64) v1(115.26,117.93) v1(115.26,76.53) v1(115.26,66.74) v1(115.26,65.36) v1(115.26,60.78) v1(115.26,59.77) v1(115.26,54.69) v1(115.26,53.67) v1(115.26,52.4) v1(115.26,51.13) v1(115.51,95.58) v1(115.51,91.77) v1(115.51,75.52) v1(115.51,74.25) v1(115.51,72.98) v1(115.51,71.71) v1(115.77,83.9) v1(115.77,70.18) v1(115.77,64.59) v1(115.77,50.12) v1(115.77,49.1) v1(115.77,45.04) v1(115.77,37.67) v1(116.02,110.06) v1(116.02,90.76) v1(116.02,68.15) v1(116.28,118.95) v1(116.28,102.69) v1(116.28,101.42) v1(116.28,100.15) v1(116.28,98.88) v1(116.28,97.61) v1(116.28,65.36) v1(116.28,38.43) v1(116.28,35.64) v1(116.28,28.02) v1(116.53,95.58) v1(116.53,92.03) v1(116.78,75.52) v1(116.78,74.25) v1(116.78,72.98) v1(116.78,71.71) v1(116.78,69.17) v1(116.84,66.76) v1(117.04,83.9) v1(117.04,76.53) v1(117.04,70.18) v1(117.04,64.59) v1(117.04,61.29) v1(117.04,59.51) v1(117.04,54.94) v1(117.04,52.4) v1(117.04,51.13) v1(117.04,45.54) v1(117.29,119.97) v1(117.29,90.76) v1(117.29,68.15) v1(117.29,36.4) v1(117.55,92.28) v1(117.55,24.46) v1(117.8,110.31) v1(117.8,95.58) v1(118.05,75.52) v1(118.05,74.25) v1(118.05,72.98) v1(118.05,71.71) v1(118.05,69.17) v1(118.05,69.17) v1(118.05,49.61) v1(118.31,70.18) v1(118.31,66.63) v1(118.31,61.55) v1(118.31,59.51) v1(118.31,37.42) v1(118.56,114.63) v1(118.56,111.08) v1(118.56,90.76) v1(118.56,54.69) v1(118.56,53.67) v1(118.56,45.04) v1(118.56,30.56) v1(118.82,92.28) v1(118.82,68.15) v1(118.82,56.47) v1(118.82,50.62) v1(119.07,95.58) v1(119.07,65.1) v1(119.07,23.45) v1(119.32,112.09) v1(119.32,91.52) v1(119.32,75.52) v1(119.32,74.25) v1(119.32,72.98) v1(119.32,71.71) v1(119.32,55.7) v1(119.32,51.89) v1(119.32,48.85) v1(119.32,36.91) v1(119.58,70.18) v1(119.58,66.63) v1(119.58,45.8) v1(119.83,113.36) v1(119.83,69.17) v1(119.83,68.15) v1(119.83,56.47) v1(120.09,64.09) v1(120.09,62.31) v1(120.09,59.26) v1(120.09,22.43) v1(120.34,109.55) v1(120.34,108.28) v1(120.34,107.01) v1(120.34,105.74) v1(120.34,104.47) v1(120.34,95.58) v1(120.34,88.22) v1(120.34,86.44) v1(120.34,84.91) v1(120.34,83.64) v1(120.34,65.36) v1(120.34,55.7) v1(120.34,32.59) v1(120.59,92.28) v1(120.59,90.76) v1(120.59,78.56) v1(120.59,75.52) v1(120.59,74.25) v1(120.59,72.98) v1(120.59,71.71) v1(120.59,66.37) v1(120.59,44.53) v1(120.59,36.91) v1(120.85,63.07) v1(120.85,61.55) v1(120.85,60.28) v1(120.85,56.47) v1(120.85,48.85) v1(121.1,94.06) v1(121.1,70.18) v1(121.1,69.17) v1(121.1,68.15) v1(121.36,88.22) v1(121.36,86.44) v1(121.36,59.26) v1(121.36,55.45) v1(121.61,109.55) v1(121.61,108.28) v1(121.61,107.01) v1(121.61,105.74) v1(121.61,104.47) v1(121.61,78.56) v1(121.61,65.61) v1(121.86,75.52) v1(121.86,74.25) v1(121.86,72.98) v1(121.86,71.71) v1(121.86,44.53) v1(122.12,86.95) v1(122.12,85.68) v1(122.12,84.66) v1(122.12,83.64) v1(122.12,54.18) v1(122.12,52.91) v1(122.12,51.39) v1(122.12,50.12) v1(122.12,48.85) v1(122.12,45.54) v1(122.37,61.8) v1(122.63,78.56) v1(122.63,63.58) v1(122.63,59.26) v1(122.88,109.55) v1(122.88,108.28) v1(122.88,107.01) v1(122.88,105.74) v1(122.88,104.47) v1(122.88,70.18) v1(122.88,68.91) v1(123.13,75.52) v1(123.13,74.25) v1(123.13,72.98) v1(123.13,71.71) v1(123.13,65.61) v1(123.13,36.4) v1(123.39,57.99) v1(123.39,56.47) v1(123.64,78.56) v1(123.64,60.02) v1(124.15,109.55) v1(124.15,108.28) v1(124.15,107.01) v1(124.15,105.74) v1(124.15,104.47) v1(124.15,70.18) v1(124.15,68.91) v1(124.15,55.2) v1(124.15,54.18) v1(124.15,53.16) v1(124.15,52.15) v1(124.15,50.88) v1(124.15,49.61) v1(124.15,48.59) v1(124.15,47.58) v1(124.15,46.31) v1(124.15,44.78) v1(124.15,43.77) v1(124.4,75.52) v1(124.4,74.25) v1(124.4,72.98) v1(124.4,71.71) v1(124.4,65.61) v1(124.4,63.58) v1(124.66,78.56) v1(124.66,76.79) v1(125.17,61.8) v1(125.17,59.01) v1(125.17,56.47) v1(125.17,54.18) v1(125.17,51.13) v1(125.17,48.34) v1(125.17,46.05) v1(125.17,39.7) v1(125.42,109.55) v1(125.42,108.28) v1(125.42,107.01) v1(125.42,105.74) v1(125.42,104.47) v1(125.67,65.61) v1(125.93,101.17) v1(125.93,99.9) v1(125.93,98.63) v1(125.93,97.36) v1(125.93,96.09) v1(126.18,76.79) v1(126.18,75.77) v1(126.18,49.1) v1(126.69,63.58) v1(126.94,65.61) v1(126.94,60.78) v1(126.94,54.18) v1(126.94,43.26) v1(127.2,101.17) v1(127.2,99.9) v1(127.2,98.63) v1(127.2,97.36) v1(127.2,96.09) v1(127.2,73.48) v1(127.2,52.15) v1(127.45,57.74) v1(127.71,76.79) v1(127.71,75.77) v1(128.21,65.61) v1(128.47,101.17) v1(128.47,99.9) v1(128.47,98.63) v1(128.47,97.36) v1(128.47,96.09) v1(128.47,63.58) v1(128.47,54.18) v1(128.47,46.56) v1(128.72,56.72) v1(128.98,75.77) v1(128.98,72.47) v1(128.98,70.18) v1(128.98,68.66) v1(129.23,59.51) v1(129.48,69.42) v1(129.48,65.61) v1(129.48,62.05) v1(129.74,101.17) v1(129.74,99.9) v1(129.74,98.63) v1(129.74,97.36) v1(129.74,96.09) v1(129.99,68.15) v1(129.99,51.13) v1(130.25,75.26) v1(130.25,64.59) v1(130.5,76.28) v1(130.5,69.17) v1(130.5,66.12) v1(130.75,70.18) v1(130.75,54.18) v1(131.01,101.17) v1(131.01,99.9) v1(131.01,98.63) v1(131.01,97.36) v1(131.01,96.09) v1(131.26,73.48) v1(131.52,75.01) v1(131.77,76.28) v1(131.77,58.24) v1(132.28,65.61) v1(132.28,64.09) v1(132.53,73.99) v1(133.04,76.28) v1(133.04,75.01) v1(134.06,63.07) v1(134.31,78.56) v1(134.31,77.55) v1(134.31,76.28) v1(134.31,75.01) v1(135.83,67.39) v1(135.83,66.12) v1(135.83,65.1) v1(135.83,63.83) v1(136.09,71.71) v1(137.36,71.71) v1(138.88,71.71)
